# KiCad board sizif128.kicad_pcb (continued)
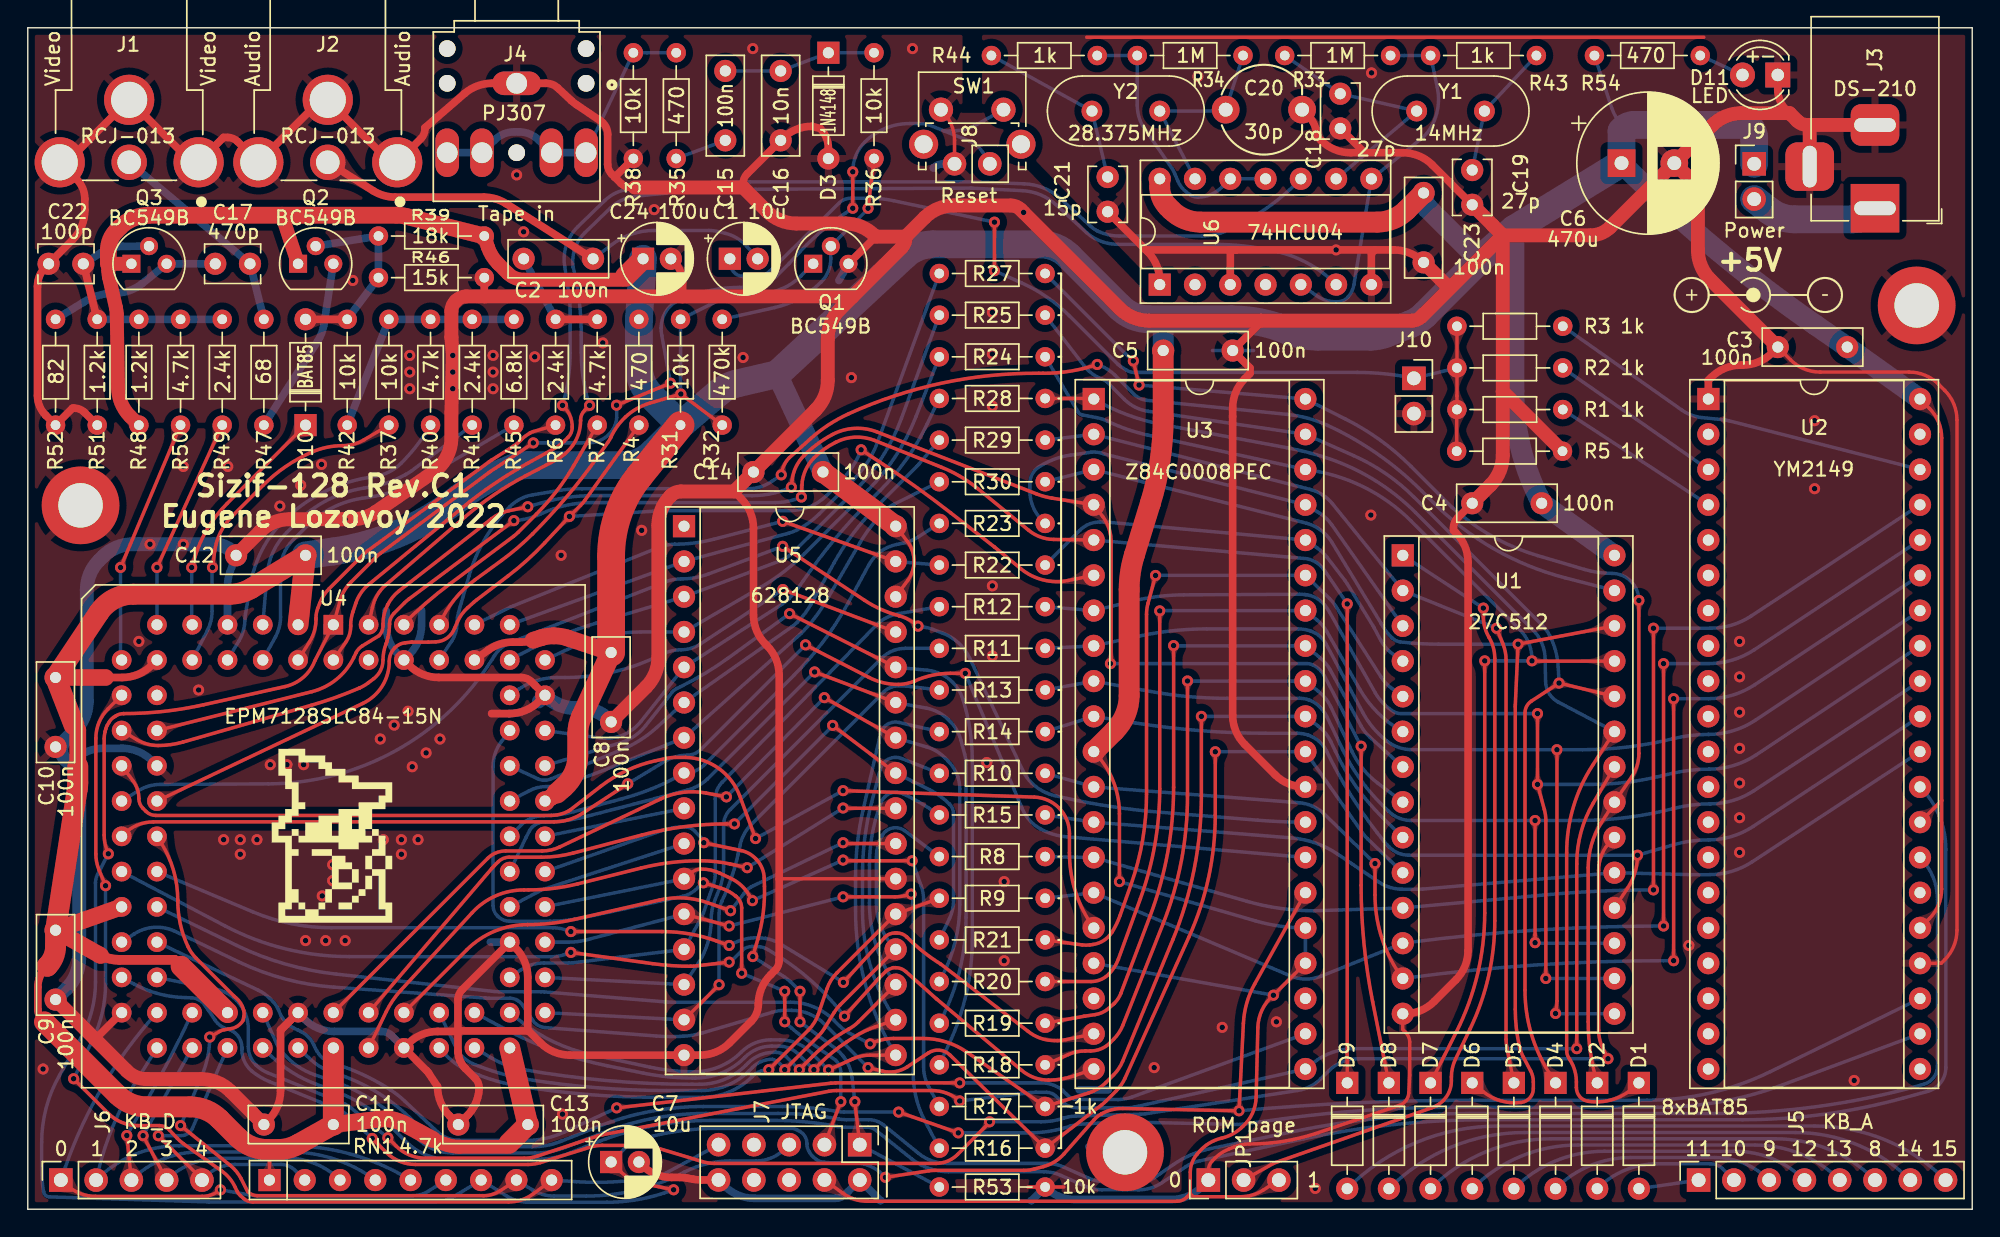
[diagram p0: board, top side]
## Routing (per net, layer and track width the routed paths; a pad name or vN(x,y) marks a point on that pad's centre or on a via; arc(x,y) is an arc through that point) (continued)
nRFSH: length 98.9
  Top w0.25: v1(54.35,47.75) 60.25,43.86 arc(61.45,43.2) 62.73,42.75 arc(63.28,42.55) 63.77,42.25 v1(64.1,42)
  Bottom w0.25: U3.28 92.01,27.88 arc(90.28,27.92) 88.56,28.02 81.42,28.6 arc(77.99,29) 74.6,29.64 73.98,29.78 arc(73.07,30.12) 72.28,30.7 arc(71.92,31.12) 71.64,31.61 67.81,39.7 arc(67.01,40.79) 65.86,41.51 65.15,41.77 arc(64.86,41.86) 64.57,41.93 v1(64.1,42) ; v1(54.35,47.75) 49.02,45.76 arc(48.03,45.49) 47.02,45.4 arc(46.51,45.36) 46.01,45.23 34.74,40.81 arc(34.09,40.43) 33.6,39.87 33.44,39.62 arc(26.54,33.06) 17.33,30.64 9.55,30.6 arc(8.73,30.49) 7.97,30.15 U4.20
nROMCS: length 131.1
  Top w0.25: v1(24.8,5.1) 25.8,4.1 arc(26.77,3.45) 27.92,3.22 36.02,3.22 arc(36.47,3.26) 36.91,3.36 40.46,4.46 arc(40.91,4.57) 41.36,4.6 44.26,4.6 arc(44.7,4.57) 45.12,4.47 48.58,3.43 arc(49,3.33) 49.44,3.3 65.39,3.3 arc(66.23,3.47) 66.94,3.94 69.25,6.25 v1(69.25,6.3) ; v1(113.77,10.84) 113.41,11.57 arc(113.18,12.22) 113.1,12.9 113.1,24.4 arc(113.33,25.55) 113.98,26.52 U1.20
  Bottom w0.25: v1(24.8,5.1) 22.98,6.79 arc(22.65,7.04) 22.29,7.21 17.4,9.19 arc(16.73,9.53) 16.12,9.96 arc(15.61,10.63) 15.42,11.46 15.42,11.56 15.42,11.65 arc(15.15,12.47) 14.44,12.96 14.34,12.99 arc(13.86,13.23) 13.49,13.61 12.77,14.67 arc(12.32,15.08) 11.74,15.24 11.32,15.24 arc(9.43,15.51) 7.65,16.22 U4.30 ; v1(69.25,6.3) 72.98,6.3 arc(73.79,6.37) 74.58,6.56 74.58,6.56 arc(75.01,6.67) 75.44,6.71 80.11,6.84 arc(80.3,6.86) 80.48,6.88 91.43,8.55 arc(92.33,8.84) 93.1,9.4 93.66,9.96 arc(94.64,10.61) 95.78,10.84 v1(113.77,10.84)
nRST: length 295.3
  Top w0.25: v1(59.4,72.1) v1(59.4,74.72) ; v1(46.5,1.4) 44.22,1.87 arc(43.41,2.16) 42.72,2.68 C7.1 ; U3.26 88.33,16.22 arc(87.77,14.85) 87.52,13.39 v1(87.21,7.09) 78.84,7.26 arc(78.05,7.17) 77.32,6.88 77.3,6.87 arc(77.02,6.68) 76.77,6.44 74.6,3.98 arc(73.93,3.42) 73.12,3.07 72.48,2.9 arc(72.1,2.82) 71.71,2.8 65.32,2.8 arc(65.1,2.79) 64.88,2.77 v1(61.75,2.3) ; v1(36.4,55.2) 33.32,53.14 arc(33.25,53.1) 33.19,53.05 25.4,47.26 arc(25.23,47.12) 25.07,46.97 23.26,45.16 arc(22.79,44.55) 22.49,43.84 U4.1 20.67,39.51 arc(19.83,38.31) 18.52,37.65 12.65,36.34 arc(9.79,35.86) 6.9,35.7 6.89,35.7 arc(6.61,35.66) 6.35,35.54 6.19,35.44 arc(6.01,35.29) 5.87,35.11 5.73,34.87 arc(5.66,34.74) 5.62,34.61 5.56,34.4 arc(5.52,34.15) 5.5,33.89 5.5,26.94 arc(5.55,26.41) 5.69,25.89 v1(5.8,25.6) ; v1(42.39,57.91) v1(46.28,59.5)
  Bottom w0.25: v1(36.4,55.2) 40.36,55.2 arc(41.17,55.36) 41.86,55.82 arc(42.19,56.27) 42.38,56.8 arc(42.4,56.9) 42.4,57 42.4,57.9 v1(42.39,57.91) ; 66.01,77.65 64.83,78.12 arc(64.5,78.18) 64.16,78.2 63.47,78.2 arc(61.74,77.86) 60.28,76.88 arc(59.63,75.91) 59.4,74.76 v1(59.4,74.72) ; 66.01,77.65 67.79,76.94 arc(68.33,76.62) 68.75,76.14 J8.2 ; 66.01,77.65 66.87,77.69 arc(67.56,77.8) 68.2,78.06 SW1.2 ; v1(46.28,59.5) 45.65,62.93 arc(45.61,63.2) 45.6,63.47 arc(45.88,64.55) 46.64,65.35 46.79,65.45 arc(46.91,65.51) 47.03,65.56 48.21,65.93 arc(49.72,66.28) 51.26,66.4 51.87,66.4 52.5,66.5 arc(52.72,66.55) 52.94,66.63 53.23,66.75 arc(53.58,66.93) 53.88,67.18 54.77,68.07 arc(54.8,68.1) 54.83,68.13 55.52,68.89 arc(57.11,70.42) 58.88,71.75 v1(59.4,72.1) ; v1(46.5,1.4) 45.83,1.18 arc(43.78,0.67) 41.68,0.5 36.06,0.5 arc(35.23,0.62) 34.47,0.96 RN1.7 30.74,0.96 arc(30,0.63) 29.19,0.53 13.04,0.53 arc(13.03,0.53) 13.01,0.53 1.57,0.89 arc(1.29,1) 1.13,1.27 1.14,1.26 arc(1.03,2.03) 1,2.8 1,4.81 arc(1.33,7.31) 2.29,9.65 3.79,12.28 arc(4.6,14.25) 4.88,16.36 4.88,23.51 arc(4.91,23.82) 5.02,24.11 v1(5.8,25.6) ; v1(87.21,7.09) 87.2,7.09 arc(95.51,7.66) 103.83,7.85 116.56,7.85 arc(121.13,8.37) 125.47,9.91 U2.23 ; C7.1 42.9,4.3 arc(43.5,4.76) 44.2,5.06 arc(46.9,5.63) 49.66,5.82 54.93,5.82 arc(55.18,5.79) 55.41,5.7 55.58,5.61 arc(55.96,5.24) 56.1,4.73 56.1,4.68 arc(56.13,4.42) 56.24,4.18 56.31,4.05 arc(56.41,3.91) 56.54,3.79 56.75,3.61 arc(57.02,3.45) 57.33,3.38 57.81,3.35 arc(57.84,3.35) 57.87,3.35 59.46,3.35 arc(60.61,3.12) 61.58,2.47 v1(61.75,2.3)
nVRD: length 44.8
  Top w0.25: v1(51.8,24.6) 50.56,24.87 arc(49.49,25.04) 48.41,25.1 48.41,25.1 arc(46.27,24.97) 44.15,24.58 39.6,23.44 arc(37.84,23.11) 36.05,23 35.73,23 arc(33.69,22.57) 31.99,21.36 26.86,15.77 arc(26.28,15.04) 25.81,14.23 U4.45 ; U5.24 58.72,28.88 v1(58.7,28.9)
  Bottom w0.25: v1(58.7,28.9) v1(51.8,24.6)
nVWR: length 30.2
  Top w0.25: v1(54.36,44.64) U5.29
  Bottom w0.25: v1(54.36,44.64) 48.43,40.71 arc(47.77,40.41) 47.05,40.3 arc(46.41,40.23) 45.81,40.03 45.02,39.67 arc(41.92,38.65) 38.69,38.3 38.1,38.3 arc(36.67,38.09) 35.36,37.46 U4.73
nWR: length 89.4
  Top w0.25: v1(67.1,9.1) 58.17,9.1 arc(58,9.1) 57.83,9.08 v1(42.4,7.3)
  Bottom w0.25: v1(42.4,7.3) 38.63,5.56 arc(37.28,5.1) 35.85,4.95 31.01,4.97 arc(30.19,5.13) 29.48,5.58 27.13,7.8 arc(26.66,8.21) 26.16,8.57 26.15,8.57 arc(24.26,9.64) 22.23,10.43 22.08,10.48 22,10.49 arc(21.33,10.81) 20.83,11.37 20.71,11.59 20.58,11.87 arc(20.2,12.41) 19.67,12.79 19.48,12.89 arc(19.46,12.9) 19.45,12.91 19.16,13.05 arc(18.72,13.34) 18.36,13.73 18.27,13.88 arc(18.24,13.92) 18.22,13.96 18.06,14.35 arc(17.88,14.69) 17.63,14.98 17.42,15.19 arc(17.03,15.52) 16.59,15.78 U4.29 ; v1(67.1,9.1) 72.97,9.1 arc(73.76,8.97) 74.46,8.6 arc(74.49,8.58) 74.52,8.56 74.88,8.2 arc(75.21,7.98) 75.6,7.9 78.47,7.9 arc(78.99,7.95) 79.5,8.08 U3.22
RA14: length 99.4
  Top w0.25: v1(54.25,52.9) 54.29,53.09 arc(54.48,53.66) 54.84,54.14 56.35,55.5 arc(57.66,56.5) 59.1,57.29 arc(65.78,59.5) 72.78,60.21 73.09,60.21 arc(75.07,60.37) v1(77,60.85)
  Bottom w0.25: v1(77,60.85) 77.24,60.75 arc(77.79,60.47) 78.27,60.08 79.63,58.72 arc(80.07,58.41) 80.57,58.26 90.67,57.25 arc(92.17,56.98) 93.6,56.46 arc(97.19,54.4) 100.36,51.74 101.2,50.9 arc(105.58,47.56) 110.68,45.48 U1.27 ; v1(54.25,52.9) 53.57,52.43 arc(52.76,52.03) 51.87,51.9 39.91,51.9 arc(39,51.86) 38.1,51.75 36.35,51.46 arc(35.47,51.17) 34.72,50.62 arc(32.93,48.31) 31.77,45.62 31.02,43.01 arc(30.93,42.6) 30.9,42.18 arc(30.8,41.53) 30.53,40.94 U4.80
Red: length 24.1
  Bottom w0.25: R40.1 28.94,56.37 arc(27.99,54.99) 26.88,53.73 arc(26.05,53.12) 25.07,52.8 24.47,52.7 arc(21.18,51.6) 18.39,49.56 arc(16.87,47.48) 16.05,45.05 15.68,42.9 arc(15.65,42.7) 15.64,42.51 15.63,42.36 arc(15.51,41.63) 15.21,40.94 U4.8
SOUND: length 34.2
  Top w0.55: J2.1 24.87,73.36 arc(25.63,73.02) 26.46,72.9 32.83,72.9 arc(33.67,72.78) 34.44,72.43 C2.2
  Bottom w0.25: C1.2 51.78,69.35 arc(51.08,69.94) 50.24,70.29 49.76,70.41 arc(49.4,70.48) 49.03,70.5 45.08,70.5 arc(43.49,70.24) 42.06,69.49 C2.2
TAPE_IN: length 22.1
  Bottom w0.25: R35.1 R38.2 J4.T
  Bottom w0.55: J4.R J4.RN 33.61,77.01 arc(34.26,77.45) 35.03,77.6 35.37,77.6 arc(36.14,77.45) 36.79,77.01 J4.TN J4.T
TAPE_IN0: length 44.4
  Top w0.25: R32.1 v1(47.02,58.72) 44.76,58.06 arc(43.84,57.66) 43.04,57.07 arc(42.43,56.38) 41.97,55.59 41.97,55.58 arc(41.89,55.42) 41.78,55.26 40.99,54.14 arc(38.78,51.3) 36.35,48.65 36.34,48.64 arc(35.26,47.64) 34.11,46.73 32.22,45.35 arc(30.7,43.9) U4.79
  Bottom w0.25: v1(47.02,58.72) 47,58.74 R31.2 49.28,65.24 arc(50.23,65.58) 51.23,65.7 arc(52.77,65.85) 54.26,66.28 arc(55.01,66.68) 55.66,67.21 Q1.1
TAPE_OUT: length 20.3
  Top w0.25: R7.1 39.33,53.59 arc(38.08,51.74) 36.61,50.06 35.3,48.75 arc(35.14,48.61) 34.98,48.47 30.38,45.03 arc(28.68,43.67) 27.08,42.18 U4.81
TCK: length 47.2
  Top w0.25: v1(55.6,15.7) v1(55.6,13.5) ; v1(52.2,18.2) 52.55,19.42 arc(52.95,21.32) 53.04,23.26 53.02,23.86 arc(52.88,24.55) 52.5,25.15 52.44,25.22 arc(51.95,25.61) 51.37,25.83 v1(48.67,26.4) ; J7.1 v1(59.55,7.75)
  Bottom w0.25: J7.1 R53.2 ; v1(52.2,18.2) 54.45,16.75 arc(54.71,16.56) 54.95,16.35 v1(55.6,15.7) ; U4.62 45.66,27.27 arc(46.46,27.48) 47.29,27.55 arc(47.67,27.47) 48,27.26 48.67,26.58 v1(48.67,26.4) ; v1(55.6,13.5) 58.13,11.59 arc(58.43,11.33) 58.7,11.03 58.74,10.98 arc(59.14,10.28) 59.35,9.49 v1(59.55,7.75)
TDI: length 79.8
  Top w0.25: U4.14 5.78,36.04 arc(5.13,35.07) 4.9,33.92 4.9,25.59 arc(4.96,25.01) 5.13,24.45 v1(5.6,23.3) ; RN1.9 36.43,1.13 arc(35.57,0.68) 34.62,0.52 16.2,0.52 arc(15.85,0.59) 15.54,0.77 15.31,0.98 arc(15.17,1.13) 15.06,1.31 14.93,1.58 arc(14.52,2.23) 13.96,2.76 11.2,4.72 arc(10.97,4.91) 10.75,5.11 10.2,5.71 arc(9.86,5.94) 9.47,6.02 7.92,6.02 arc(6.77,6.25) 5.8,6.9 v1(3.3,9.4)
  Bottom w0.25: v1(5.6,23.3) 5.6,16.23 arc(5.36,14.15) 4.66,12.19 v1(3.3,9.4) ; J7.9 45.97,2.62 arc(45.55,2.43) 45.09,2.31 45.09,2.31 arc(42.29,1.98) 39.47,1.99 RN1.9
TDO: length 54
  Top w0.25: v1(58.54,7.75) J7.3 ; v1(54.5,15.7) v1(54.5,13.5) ; v1(51.4,17) 51.4,21.69 arc(51.3,22.15) 51.01,22.52 50.95,22.57 arc(50.46,22.9) 49.91,23.13 v1(48.64,23.51)
  Bottom w0.25: v1(58.54,7.75) 58.54,9.84 arc(58.44,10.32) 58.17,10.73 55.66,12.51 arc(55.33,12.76) 55.01,13.03 v1(54.5,13.5) ; v1(51.4,17) v1(54.5,15.7) ; U4.71 34.11,33.7 arc(33.66,32.85) 33.5,31.89 33.5,21.86 arc(33.58,21.48) 33.79,21.15 33.85,21.09 arc(34.24,20.83) 34.7,20.74 37.57,20.74 arc(38.78,20.81) 39.97,21 47.16,22.54 arc(47.76,22.78) 48.26,23.19 48.58,23.51 v1(48.64,23.51)
TMS: length 72.1
  Top w0.25: RN1.8 34.02,1.34 arc(33.45,1.07) 32.82,0.97 16.54,0.97 arc(16.16,1.05) 15.83,1.27 15.36,2.2 arc(15.02,2.72) 14.57,3.16 v1(11,6.02) ; v1(13.1,12.4) 13.81,12.81 arc(13.98,12.88) 14.15,12.93 14.62,13.01 arc(15.13,13.21) 15.5,13.6 15.56,13.88 arc(15.58,14.1) 15.55,14.32 15.54,14.35 arc(15.32,14.85) 14.96,15.25 arc(14.92,15.29) 14.87,15.33 12.13,18.07 arc(11.79,18.48) 11.53,18.93 arc(10.98,20.54) 10.8,22.23 10.8,22.25 arc(10.49,24.41) 9.59,26.4 U4.23
  Bottom w0.25: v1(11,6.02) 12.53,9.62 arc(12.96,10.98) v1(13.1,12.4) ; J7.5 54.52,4.35 arc(53.55,3.7) 52.4,3.47 50.58,3.47 arc(48.87,3.27) 47.26,2.67 arc(43.84,1.39) 40.22,0.95 37.9,0.95 arc(37.08,1.06) 36.33,1.39 RN1.8
VA0: length 45.8
  Top w0.25: U5.12 v1(50.5,20.4) ; v1(63.6,22.7) 63.16,22.59 arc(62.8,22.52) 62.43,22.5 v1(58.7,22.5)
  Bottom w0.25: v1(63.6,22.7) 63.71,22.59 63.71,22.02 arc(63.74,21.76) 63.75,21.51 63.75,9.78 arc(63.97,8) 64.61,6.33 R16.2 ; U4.58 38.97,19.24 arc(39.6,19.28) 40.23,19.4 U5.12 ; v1(50.5,20.4) v1(58.7,22.5)
VA1: length 46.4
  Top w0.25: v1(58.7,25.15) 58.75,25.1 v1(63.68,25.1) ; v1(52.17,22.22) 51.91,22.66 arc(51.35,23.34) 50.62,23.83 49.81,24.21 arc(49.18,24.43) 48.53,24.5 ; U5.11 47.82,24.27 arc(48.12,24.44) 48.46,24.5
  Bottom w0.25: U4.60 U5.11 ; v1(52.17,22.22) v1(58.7,25.15) ; R17.2 64.86,8.83 arc(64.59,9.52) 64.5,10.26 64.5,22.28 arc(64.46,22.79) 64.32,23.29 v1(63.68,25.1)
VA2: length 62.3
  Top w0.25: v1(54.85,42.9) U5.28
  Bottom w0.25: U4.68 42.69,33.6 arc(43.68,34.08) 44.48,34.83 46.39,37.23 arc(46.55,37.39) 46.73,37.51 47,37.64 arc(48.74,38.58) 50.39,39.68 v1(54.85,42.9) ; U5.28 64.75,38.83 arc(65.74,38.55) 66.59,37.96 arc(67.02,37.4) 67.32,36.76 arc(67.83,34.58) 68.01,32.34 68.01,19.44 arc(67.58,15.59) 66.34,11.92 R18.2
VA3: length 60.5
  Top w0.25: v1(56.65,38.7) U5.27
  Bottom w0.25: U5.27 64.71,36.09 arc(65.56,35.8) 66.28,35.26 66.41,35.14 arc(66.88,34.52) 67.18,33.8 67.45,32.79 arc(67.53,32.4) 67.56,32.01 67.56,21 arc(67.11,17.25) 65.79,13.72 R19.2 ; v1(56.65,38.7) 48.93,30.98 arc(48.25,30.49) 47.47,30.18 45.18,29.58 arc(45.18,29.58) 45.18,29.58 40.1,28.26 arc(38.69,27.99) 37.26,27.9 37.26,27.9 arc(36.74,27.8) 36.31,27.51 arc(36.21,27.39) 36.13,27.27 35.89,26.81 arc(35.88,26.79) 35.87,26.77 U4.63
VA4: length 70.5
  Top w0.25: U4.44 33.11,25.27 arc(33.7,25.67) 34.4,25.81 37.03,25.81 arc(37.68,25.88) 38.29,26.09 45.56,29.55 arc(47.17,30.03) 48.83,29.98 v1(50.3,29.7) ; v1(57.35,36.85) U5.26
  Bottom w0.25: v1(50.3,29.7) v1(57.35,36.85) ; U5.26 64.74,33.29 arc(65.42,32.99) 66.01,32.54 66.24,32.3 arc(66.66,31.78) 66.95,31.18 arc(67.07,30.74) 67.11,30.28 67.11,21.95 arc(66.78,19.29) 65.83,16.78 R20.2
VA5: length 62
  Top w0.25: 50.83,27.7 v1(50.88,27.75) 50.31,27.75 arc(47.26,27.55) 44.26,26.97 39.26,25.65 arc(38.13,25.43) 36.98,25.36 34.67,25.36 arc(34.24,25.27) 33.88,25.03 33.58,24.74 arc(33.5,24.65) 33.42,24.56 U4.46 ; v1(57.95,34.85) U5.25
  Bottom w0.25: v1(50.88,27.75) 57.95,34.82 v1(57.95,34.85) ; R21.2 66.36,20.94 arc(66.58,21.57) 66.66,22.23 66.66,28.48 arc(66.58,28.86) 66.36,29.18 66.36,29.19 arc(65.68,29.76) 64.91,30.22 U5.25
VA6: length 35.3
  Top w0.25: v1(54.35,49.55) U5.31
  Bottom w0.25: U4.77 34.77,43.38 arc(34.87,43.43) 34.97,43.47 45.46,47.68 arc(46.01,47.85) 46.58,47.9 arc(47.99,47.99) 49.37,48.26 v1(54.35,49.55) ; U5.31 R22.2
VA7: length 40
  Bottom w0.25: U4.65 35.5,27.66 arc(36.26,28.17) 37.17,28.35 37.17,28.35 arc(38.24,28.42) 39.29,28.63 42.8,29.57 arc(45.09,30.35) 47.25,31.42 U5.8 47.29,31.42 arc(48.06,31.57) 48.71,32.01 55.17,38.47 arc(57.31,40.94) 59.08,43.69 60.54,46.38 arc(61.38,47.35) 62.56,47.88 63.06,47.99 arc(63.58,48.15) 64.07,48.4 R23.2
VA8: length 38.2
  Bottom w0.25: U4.74 39.15,40.46 arc(41.58,41.3) 44.14,41.58 U5.4 52.79,44.81 arc(54.45,45.93) 55.94,47.24 60.48,51.78 arc(62.49,54.26) 63.96,57.1 R24.2
VA9: length 42.3
  Bottom w0.25: U4.76 35.56,40.02 arc(38.18,41.25) 40.9,42.21 U5.3 54.09,46.67 arc(54.66,46.96) 55.16,47.36 59.61,51.81 arc(61.54,54.21) 62.9,56.97 R25.2
VA10: length 43.4
  Bottom w0.25: U4.75 U5.2 54.8,48.7 arc(55.07,48.79) 55.33,48.9 arc(56.2,49.42) 56.97,50.07 59.45,52.55 arc(60.47,53.82) 61.2,55.28 R27.2
VA11: length 39.5
  Bottom w0.25: R28.2 64.76,56.57 arc(63.27,54.02) 61.36,51.76 60.62,51.02 arc(58.11,48.27) 55.85,45.29 55.6,44.93 arc(55.23,44.44) 54.82,43.99 54.82,43.99 arc(54.58,43.77) 54.32,43.59 U5.5 44.14,35.13 arc(42.83,34.15) 41.2,33.94 U4.70
VA12: length 41.1
  Bottom w0.25: U4.69 36.73,31 arc(36.92,30.93) 37.13,30.91 37.24,30.9 arc(37.45,30.92) 37.64,30.98 43.13,33.26 arc(44.26,33.9) 45.29,34.71 U5.6 55.02,41.96 arc(55.23,42.12) 55.42,42.3 55.42,42.3 arc(55.95,42.91) 56.4,43.59 58.04,46.55 arc(59.44,48.69) 61.12,50.62 64.02,53.52 arc(64.11,53.61) 64.19,53.7 R29.2
VA13: length 40.3
  Bottom w0.25: U4.67 36.09,30.14 arc(36.68,30.36) 37.31,30.44 37.55,30.44 arc(37.66,30.45) 37.77,30.47 37.77,30.46 arc(39.69,30.99) 41.57,31.66 U5.7 ; R30.2 62.44,50.82 arc(62.02,50.57) 61.65,50.25 61.65,50.25 arc(60.7,49.17) 59.9,47.97 57.49,43.82 arc(56.67,42.61) 55.71,41.51 55.71,41.51 arc(55.65,41.45) 55.59,41.39 U5.7 ; U5.7 46.89,33.76
VA14: length 13.4
  Bottom w0.25: U5.10 37.25,23.08 arc(37,22.99) 36.77,22.88 U4.61
VA15: length 10.2
  Bottom w0.25: U4.64 U5.9
VA16: length 39.7
  Top w0.25: U5.23 58.76,26.34 v1(58.7,26.4) ; U4.48 31.6,18.68 arc(33.62,20.03) 35.99,20.5 arc(37.68,20.59) 39.35,20.88 45.49,22.27 arc(47.24,22.42) 48.96,22.08 v1(50.6,21.5)
  Bottom w0.25: v1(58.7,26.4) 52.24,23.3 52.08,23.22 52.08,23.22 arc(51.82,23.02) 51.59,22.78 v1(50.6,21.5)
VD0: length 53.6
  Top w0.25: v1(54.5,10.05) 56.92,12.47 arc(57.16,12.74) 57.36,13.03 58.05,14.16 arc(58.25,14.45) 58.49,14.72 U5.20
  Bottom w0.25: U4.50 30.83,11.66 arc(31.38,10.92) 32.16,10.43 32.58,10.27 arc(34.24,9.73) 35.94,9.36 arc(40.97,8.75) 46.02,8.55 48.5,8.55 arc(50.36,8.92) 51.94,9.97 52.18,10.21 arc(52.83,10.65) 53.59,10.8 53.66,10.78 arc(53.97,10.65) 54.21,10.42 v1(54.5,10.05) ; R8.2 63.15,27.26 arc(62.49,27.48) 61.83,27.27 arc(61.67,27.12) 61.54,26.95 61.49,26.85 arc(61.2,26.14) 61.1,25.38 61.1,22.08 arc(61.46,20.26) U5.20
VD1: length 43.1
  Top w0.25: v1(53.35,10.05) 56.21,12.91 arc(56.63,13.44) 56.92,14.06 57.54,15.87 arc(57.83,16.49) 58.26,17.03 U5.21 R9.2
  Bottom w0.25: U4.49 30.08,11.13 arc(30.95,10.39) 31.97,9.86 32.49,9.65 32.49,9.66 arc(33.87,9.2) 35.29,8.89 35.3,8.89 arc(40.23,8.27) 45.2,8.07 48.57,8.07 arc(50.51,8.45) 52.15,9.55 52.16,9.56 arc(52.7,9.92) v1(53.35,10.05)
VD2: length 57.1
  Top w0.25: U5.18 61.05,13.15 arc(60.25,12.83) 59.5,12.4 58.97,12.06 arc(57.97,11.32) 57.04,10.49 v1(56.6,10.05)
  Bottom w0.25: 32.16,14.16 U4.52 34.29,13.02 arc(37.93,11.4) 41.76,10.32 44.3,9.81 arc(46.08,9.54) 47.87,9.45 48.09,9.45 arc(49.98,9.83) 51.59,10.9 51.64,10.95 arc(52.53,11.54) 53.57,11.75 54.07,11.75 arc(54.84,11.6) 55.49,11.16 v1(56.6,10.05) ; R10.2 62.91,32.47 arc(61.97,32.42) 61.38,31.69 60.77,29.34 arc(60.27,26.76) 60.1,24.13 60.1,21.49 arc(60.71,17.39) U5.18
VD3: length 43.1
  Bottom w0.25: R11.2 63.18,40.4 arc(62.26,40.22) 61.48,39.7 50.57,28.78 arc(50.22,28.26) 50.1,27.65 50.1,24.64 arc(50.02,23.83) 49.79,23.05 49.5,22.33 arc(49.27,21.59) 49.2,20.81 arc(48.96,19.17) 48.25,17.68 U5.14 U4.56
VD4: length 46.2
  Bottom w0.25: R12.2 62.72,42.91 arc(61.83,42.61) 61.07,42.05 50,30.76 arc(49.63,30.2) 49.5,29.54 49.5,24.16 arc(49.47,23.78) 49.37,23.41 48.66,21.37 arc(48.59,21.2) 48.51,21.04 U5.13 39.29,17.76 arc(39.11,17.74) 38.93,17.74 37.15,17.74 arc(36.28,17.61) 35.48,17.22 U4.57
VD5: length 43.2
  Top w0.25: v1(49.78,16.17) 49.78,16.16 U5.15
  Bottom w0.25: R13.2 63.28,37.68 arc(63.1,37.69) 62.92,37.7 62.72,37.7 arc(62.12,37.58) 61.62,37.25 52.1,27.73 arc(51.59,27.05) 51.3,26.26 51.15,25.59 arc(50.66,23.85) 49.97,22.19 49.97,22.18 arc(49.82,21.76) 49.78,21.32 v1(49.78,16.17) ; U4.54 U5.15
VD6: length 58.9
  Top w0.25: v1(57.65,10.04) 59.41,10.83 arc(60.01,11.03) 60.65,11.1 U5.17
  Bottom w0.25: v1(57.65,10.04) 56.42,11.26 arc(55.39,11.96) 54.16,12.2 53.5,12.2 arc(52.35,11.97) 51.38,11.32 arc(49.8,10.27) 47.94,9.9 47.95,9.9 arc(46.37,9.98) 44.81,10.23 40.58,11.14 arc(37.93,12.03) 35.55,13.49 U4.55 ; R14.2 62.73,35.06 arc(61.88,34.92) 61.39,34.22 60.14,28.75 arc(59.73,26.37) 59.6,23.97 59.6,21.47 arc(60.28,16.28) 62.29,11.45 U5.17
VD7: length 52.8
  Top w0.25: U5.19 59.81,13.5 arc(59.49,13.22) 59.13,12.99 arc(57.77,12.11) 56.54,11.04 v1(55.55,10.05)
  Bottom w0.25: U5.19 62.19,16.64 arc(61.01,19.22) 60.6,22.03 60.6,24.78 arc(60.78,26.9) 61.32,28.96 61.44,29.28 arc(62.08,29.95) 63.01,29.93 63.04,29.92 63.03,29.92 arc(64,29.42) 64.93,28.86 R15.2 ; v1(55.55,10.05) 54.59,11.01 arc(54.27,11.22) 53.89,11.3 53.7,11.3 arc(52.71,11.1) 51.87,10.54 51.71,10.38 arc(50.18,9.36) 48.38,9 47.82,9 arc(41.67,9.27) 35.57,10.08 arc(34.47,10.38) 33.43,10.87 U4.51
VIDEO: length 15.5
  Bottom w0.55: J1.1 C17.2 R47.1
Net-(C1-Pad1): length 70.8
  Top w0.25: R5.2 102.88,57.58 R1.2 R2.2 R3.2 ; v1(69.6,67.6) v1(69.6,71.1)
  Bottom w0.25: R2.2 J10.1 99.79,59.85 arc(97.76,60.17) 95.71,60.27 79.66,60.27 arc(79.39,60.31) 79.13,60.43 78.68,60.7 arc(78.59,60.77) 78.5,60.85 75,64.35 arc(73.39,65.69) 71.57,66.72 v1(69.6,67.6) ; v1(69.6,71.1) 62.33,72.64 arc(61.47,72.78) 60.6,72.83 59.28,72.83 arc(58.81,72.73) 58.4,72.47 53.53,67.66 arc(52.89,67.25) 52.14,67.1 51.43,67.19 arc(50.83,67.51) 50.56,68.14 C1.1
Net-(C2-Pad1): length 7.9
  Top w0.55: R6.2 R7.2
  Bottom w0.55: R6.2 C2.1
Net-(C15-Pad1): length 3.8
  Bottom w0.25: R35.2 C15.1
Net-(C15-Pad2): length 10.9
  Bottom w0.25: R36.1 D3.1 C16.2 C15.2
Net-(C17-Pad1): length 12.6
  Bottom w0.55: C17.1 Q3.3 8.22,66.67 arc(7.34,66.17) 6.34,66 arc(5.15,65.83) 4.04,65.35 R52.2
Net-(C18-Pad2): length 18.1
  Bottom w0.25: U6.9 Y1.1 C18.2 R33.1
Net-(C19-Pad2): length 9.8
  Bottom w0.25: C19.2 Y1.2 R43.1
Net-(C20-Pad1): length 14.4
  Bottom w0.25: U6.13 Y2.1 86.15,79.1 C20.1 R34.1
Net-(C21-Pad2): length 13.2
  Bottom w0.25: C21.2 Y2.2 R44.1
Net-(C22-Pad1): length 18.2
  Top w0.55: C22.1 R51.2
  Bottom w0.55: C22.1 5.28,68.9 arc(6.03,69.24) 6.85,69.36 Q3.2 ; R51.2 R48.2 R50.2 R49.2
Net-(D1-Pad2): length 4.3
  Bottom w0.25: D1.2 J5.1
Net-(D2-Pad2): length 10.8
  Bottom w0.25: J5.2 122.03,2.91 arc(121.63,3.18) 121.15,3.28 117.33,3.28 arc(114.99,2.81) D2.2
Net-(D4-Pad2): length 16.4
  Bottom w0.25: D4.2 arc(112.49,3.14) 115.42,3.73 121.46,3.73 arc(123.58,3.3) J5.3
Net-(D5-Pad2): length 22.2
  Bottom w0.25: J5.4 arc(125.62,3.64) 122.91,4.18 113.51,4.18 arc(109.99,3.47) D5.2
Net-(D6-Pad2): length 28
  Bottom w0.25: D6.2 arc(107.48,3.81) 111.59,4.63 124.36,4.63 arc(127.66,3.97) J5.5
Net-(D7-Pad2): length 33.8
  Bottom w0.25: J5.6 arc(129.7,4.3) 125.82,5.08 109.68,5.08 arc(104.98,4.14) D7.2
Net-(D8-Pad2): length 39.5
  Bottom w0.25: D8.2 arc(102.48,4.47) 107.77,5.53 127.27,5.53 arc(131.75,4.63) J5.7
Net-(D9-Pad2): length 45.3
  Bottom w0.25: J5.8 arc(133.77,4.98) 128.68,5.99 105.9,5.99 arc(100,4.82) D9.2
Net-(D10-Pad2): length 14.3
  Top w0.55: R42.2 D10.2
  Bottom w0.55: R42.2 R46.1 R39.1 Q2.2
Net-(D11-Pad2): length 3.3
  Bottom w0.25: R54.2 D11.2
Net-(J3-Pad1): length 9.4
  Bottom w2: J9.2 125.39,71.92 arc(126.25,71.46) 127.22,71.3 131.37,71.3 arc(132.14,71.45) 132.79,71.89 J3.1
Net-(JP1-Pad2): length 58.8
  Top w0.25: JP1.2 89.72,3.32 101.08,7.31 arc(101.53,7.52) 101.91,7.83 arc(102.35,8.48) 102.5,9.24 102.5,9.51 arc(102.58,10.18) 102.8,10.82 103.85,12.99 arc(105.17,16.78) 105.63,20.77 105.63,39.67 arc(105.52,40.45) 105.22,41.17 105.2,41.2 arc(104.9,41.93) 104.8,42.71 v1(104.8,43.3)
  Bottom w0.25: U1.1 v1(104.8,43.3)
Net-(Q1-Pad2): length 18
  Top w0.25: R36.2 v1(60.5,72.1)
  Bottom w0.25: v1(60.5,72.1) 60.5,72.05 Q1.2 57.82,68.46 arc(57.64,67.56) 57.13,66.79 arc(55.58,65.63) 53.77,64.95 R32.2
Net-(Q2-Pad3): length 12.9
  Bottom w0.55: R47.2 20.88,62.54 arc(21.16,63.09) 21.32,63.7 Q2.3
Net-(R1-Pad1): length 12.5
  Bottom w0.25: U2.4 R1.1
Net-(R2-Pad1): length 12.8
  Bottom w0.25: U2.3 R2.1
Net-(R3-Pad1): length 28.2
  Bottom w0.25: U2.38 122.47,56.79 arc(122.25,56.84) 122.03,56.87 120.53,57.02 arc(119.79,57.2) 119.11,57.55 R3.1
Net-(R33-Pad2): length 26.5
  Bottom w0.25: U6.5 92.77,65.81 arc(93.54,65.45) 94.39,65.37 arc(94.76,65.47) 95.07,65.71 arc(95.34,66.13) 95.48,66.6 U6.8 100.32,77.11 arc(100.73,77.51) 101.06,77.98 arc(101.53,79.34) 101.49,80.78 R43.2 R33.2
Net-(R34-Pad2): length 20
  Bottom w0.25: U6.11 U6.12 85.99,73.63 arc(85.18,73.09) 84.23,72.9 arc(83.92,72.95) 83.63,73.1 83.45,73.24 arc(83.07,73.62) 82.8,74.08 82.58,74.6 arc(82.49,74.79) 82.38,74.98 80.53,77.66 arc(80.05,78.54) 79.88,79.53 R34.2 R44.2
Net-(R37-Pad2): length 17.2
  Bottom w0.55: R45.2 R37.2 R42.1

## Copper pours and planes (outline as drawn; the poured copper is in the pictures)
+5V on Top: 60.27,0.71 59.89,0.75 59.56,0.82 59.3,0.93 59.07,1.06 58.88,1.23 58.72,1.43 58.57,1.65 58.42,1.91 58.11,2.51 57.02,2.36 57.31,1.26 57.68,1.22 57.99,1.16 58.25,1.07 58.49,0.97 58.72,0.86 58.95,0.76 59.2,0.66 59.49,0.57 59.84,0.5 60.26,0.46
+5V on Top: 78.47,24.79 78.47,24.65 78.47,24.52 78.46,24.42 78.45,24.32 78.43,24.24 78.41,24.15 78.38,24.07 78.34,23.98 78.29,23.89 78.24,23.77 78.6,23.4 78.96,23.77 78.91,23.89 78.86,23.98 78.82,24.07 78.79,24.15 78.77,24.24 78.75,24.32 78.74,24.42 78.73,24.52 78.73,24.65 78.72,24.79
+5V on Top: 18.58,69.17 18.63,69.03 18.71,68.8 18.74,68.7 18.77,68.6 18.79,68.52 18.81,68.43 18.82,68.35 18.82,68.27 18.82,68.18 19.56,67.79 19.93,68.55 19.87,68.62 19.82,68.68 19.78,68.75 19.75,68.83 19.71,68.91 19.68,69.01 19.65,69.11 19.57,69.34 19.53,69.48
+5V on Top: 137.51,57.11 137.41,57.3 137.33,57.47 137.27,57.61 137.23,57.75 137.19,57.88 137.16,58 137.13,58.13 137.1,58.28 137.06,58.44 137,58.62 135.96,58.64 135.98,57.6 136.15,57.55 136.31,57.52 136.46,57.5 136.6,57.48 136.73,57.45 136.85,57.41 136.97,57.36 137.08,57.27 137.19,57.15 137.3,56.98
+5V on Top: 4.38,19.45 4.12,19.59 3.89,19.71 3.49,19.91 3.31,20 3.16,20.09 3.01,20.19 2.88,20.3 2.77,20.42 2.66,20.56 1.65,20.3 1.95,19.3 2.13,19.28 2.29,19.24 2.45,19.19 2.61,19.11 2.77,19.03 2.93,18.93 3.31,18.69 3.54,18.55 3.79,18.41
+5V on Top: 40.3,40.03 40.47,39.98 40.76,39.89 40.88,39.85 40.99,39.8 41.09,39.76 41.19,39.71 41.28,39.66 41.36,39.6 41.44,39.53 42.38,39.97 41.9,40.89 41.79,40.88 41.68,40.88 41.58,40.89 41.48,40.91 41.37,40.94 41.26,40.97 41.13,41.02 40.85,41.11 40.68,41.17
+5V on Top: 77.83,31.76 77.74,31.94 77.68,32.09 77.64,32.23 77.61,32.35 77.6,32.47 77.59,32.72 77.58,32.85 77.56,33 77.52,33.17 76.49,33.26 76.44,32.22 76.59,32.17 76.74,32.13 76.87,32.1 76.99,32.08 77.11,32.06 77.21,32.02 77.32,31.97 77.42,31.89 77.52,31.78 77.62,31.63
+5V on Top: 18.38,69.78 18.45,69.56 18.53,69.36 18.66,69.02 18.72,68.86 18.76,68.72 18.8,68.59 18.82,68.45 18.83,68.32 18.82,68.18 19.56,67.79 19.93,68.55 19.84,68.66 19.76,68.77 19.7,68.89 19.65,69.02 19.6,69.16 19.55,69.31 19.46,69.67 19.4,69.87 19.32,70.1
+5V on Top: 3.68,19.84 3.53,19.93 3.26,20.07 3.15,20.14 3.04,20.2 2.95,20.26 2.87,20.32 2.79,20.39 2.72,20.47 2.66,20.56 1.65,20.3 1.95,19.3 2.06,19.29 2.16,19.27 2.26,19.24 2.36,19.2 2.46,19.16 2.56,19.1 2.68,19.04 2.94,18.89 3.09,18.8
+5V on Top: 31.38,69.86 31.53,69.82 31.67,69.79 31.93,69.73 32.05,69.7 32.15,69.67 32.24,69.65 32.31,69.62 32.38,69.59 32.42,69.56 33.21,70.01 32.73,70.79 32.67,70.78 32.61,70.78 32.53,70.8 32.44,70.82 32.34,70.84 32.22,70.87 31.97,70.94 31.82,70.98 31.67,71.02
+5V on Top: 34.43,41.09 34.09,41.02 33.8,40.95 33.56,40.86 33.35,40.76 33.16,40.66 32.98,40.57 32.79,40.48 32.58,40.39 32.34,40.32 32.05,40.26 31.87,39.35 32.79,39.22 32.91,39.45 33.03,39.65 33.15,39.83 33.27,39.99 33.41,40.12 33.56,40.24 33.75,40.34 33.96,40.42 34.21,40.49 34.51,40.54
+5V on Top: 5.62,20.74 5.77,20.8 5.91,20.85 6.16,20.94 6.27,20.98 6.37,21.02 6.46,21.05 6.54,21.07 6.62,21.07 6.68,21.07 7.1,21.9 6.25,22.28 6.21,22.24 6.14,22.2 6.07,22.16 5.98,22.13 5.88,22.09 5.77,22.06 5.52,21.97 5.37,21.93 5.22,21.87
+5V on Top: 3.3,21.19 3.13,21.14 2.85,21.03 2.73,20.99 2.61,20.95 2.51,20.92 2.4,20.9 2.3,20.89 2.2,20.89 2.09,20.9 1.62,19.97 2.57,19.54 2.65,19.61 2.73,19.67 2.82,19.73 2.91,19.78 3.01,19.82 3.12,19.87 3.25,19.91 3.53,20.01 3.7,20.06